# Altium PCB PCB.PcbDoc (part 1 of 3) (continued)
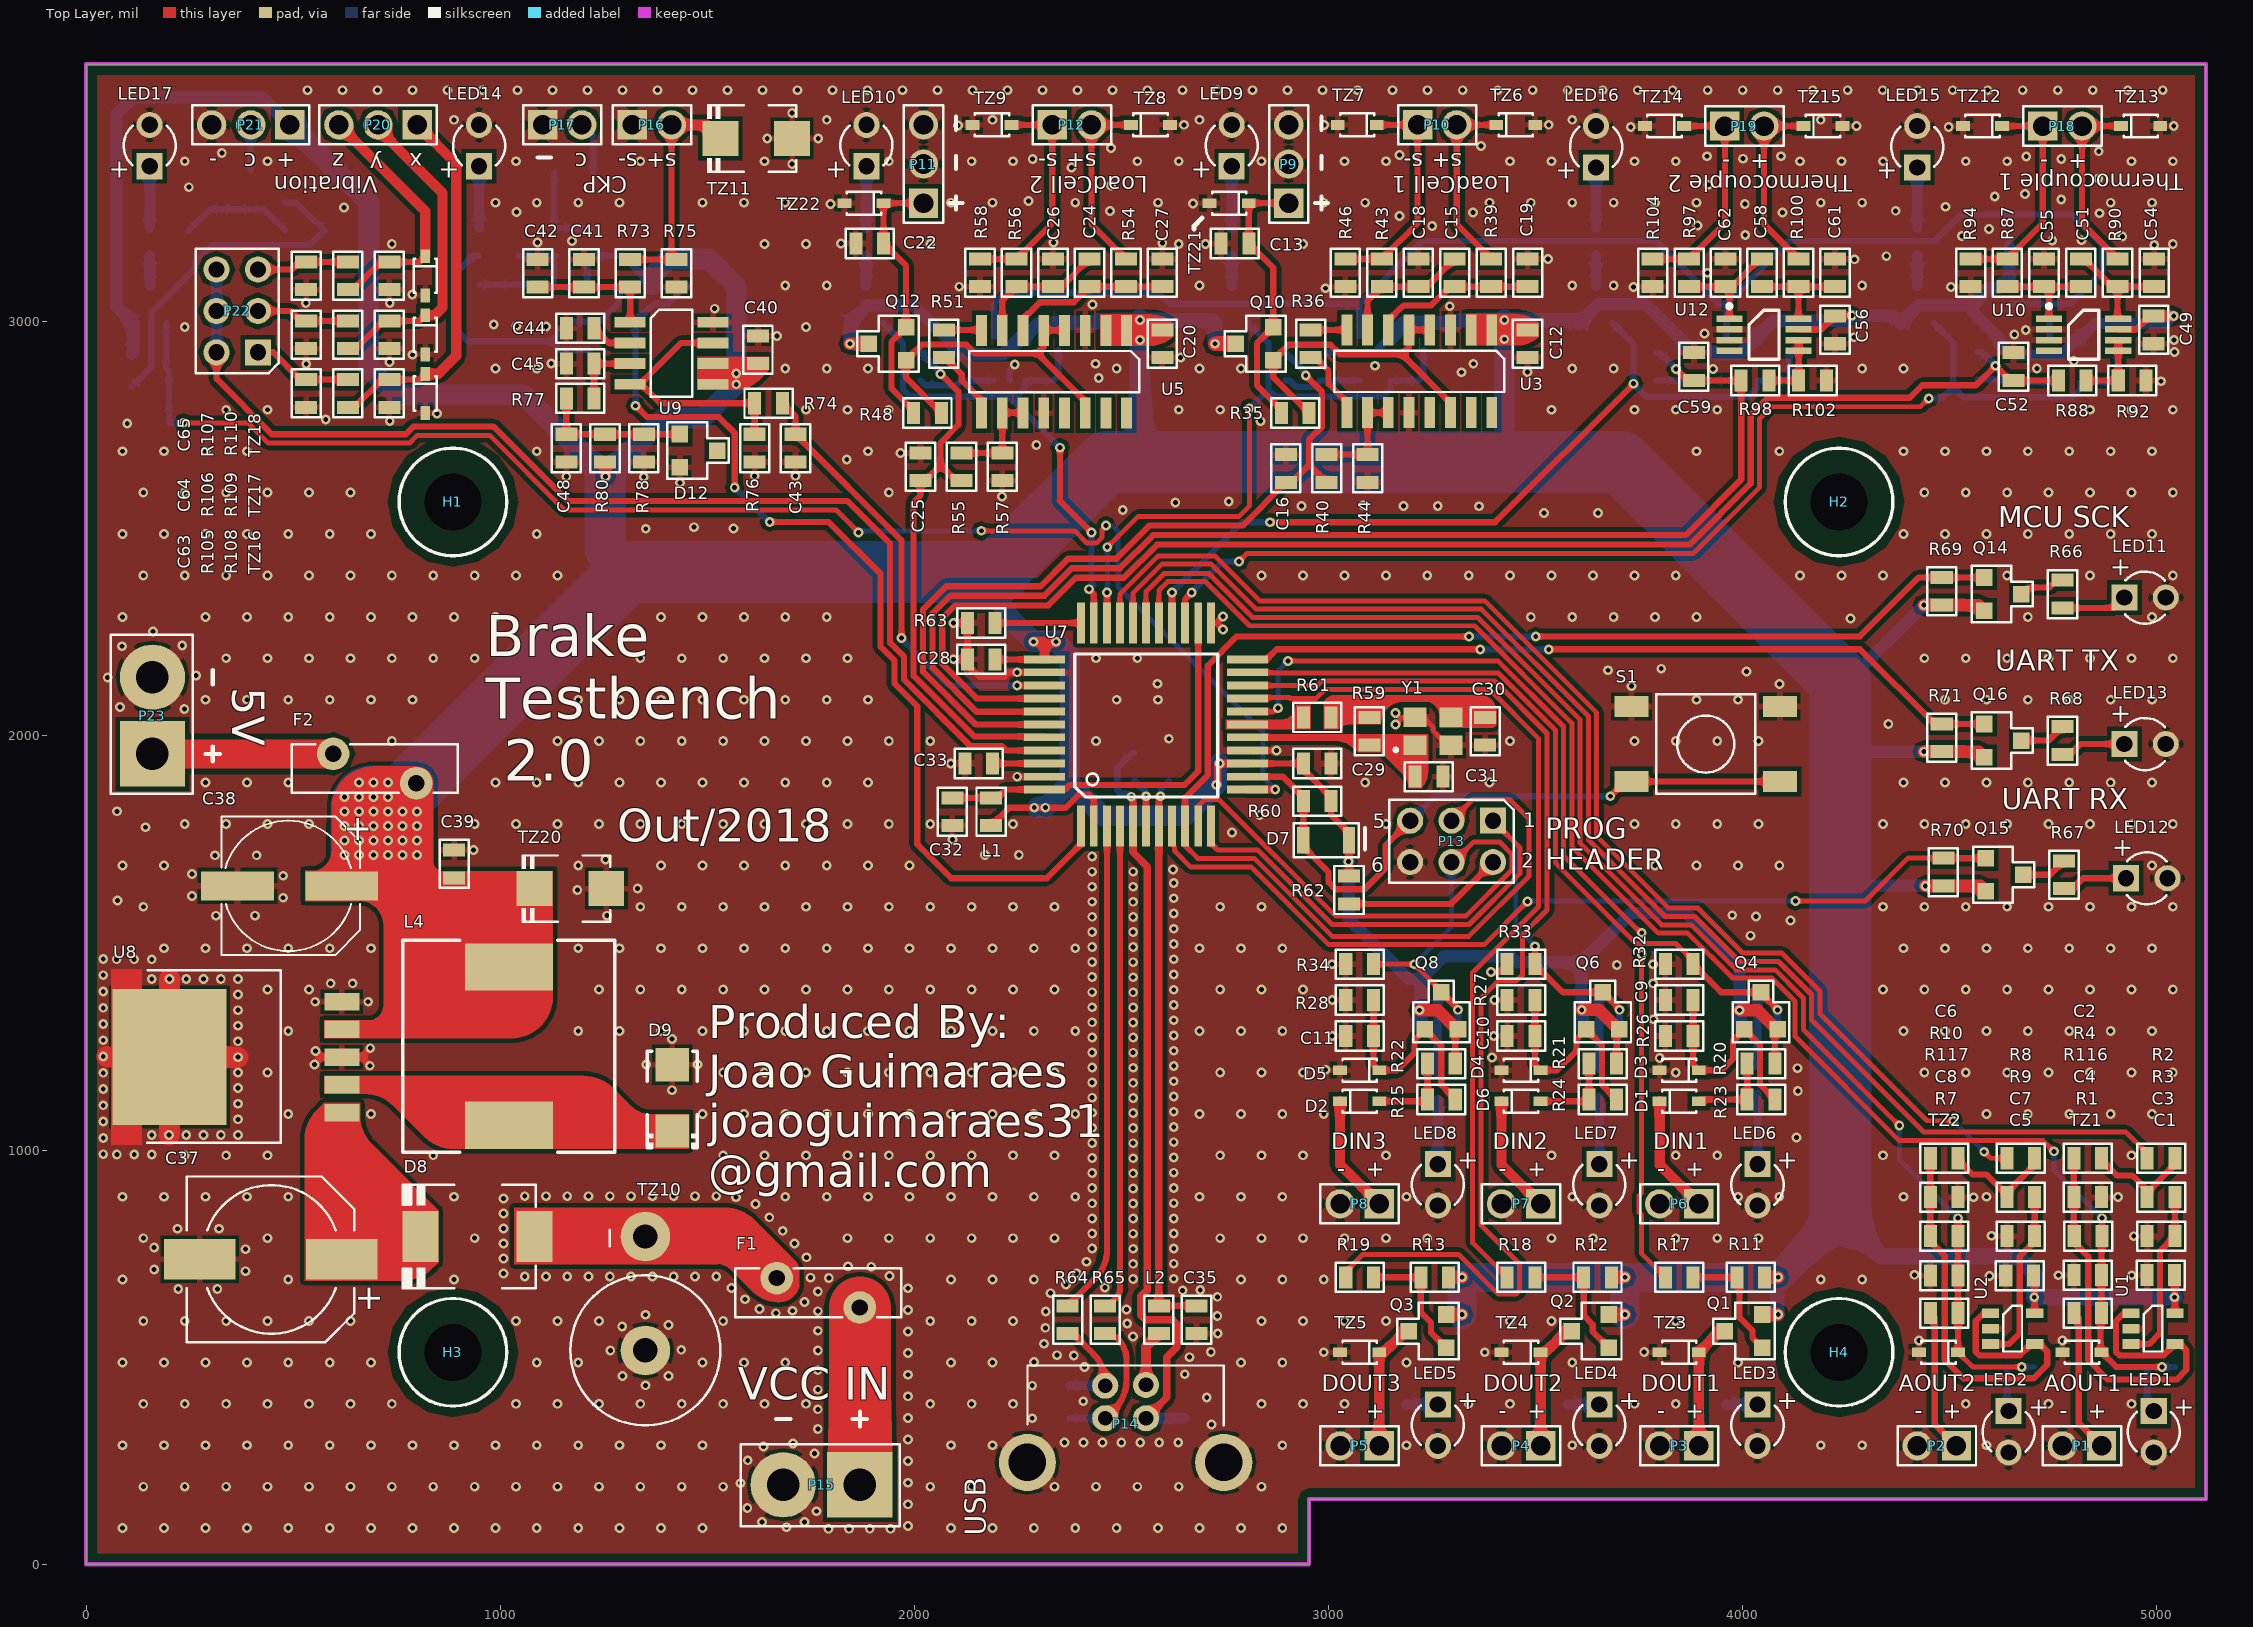
[diagram p0: Top Layer view]
## Components (designator, comment, footprint, x,y, rotation, side; value= is the part's Value field where it differs from the comment)
C1 "100nFx16V" DISC-0805 5008.86,697.83 r90 top
C2 "100nFx16V" DISC-0805 4832.68,980.31 r90 top
C3 "100nFx16V" DISC-0805 5009.84,792.21 r270 top
C4 "100nFx16V" DISC-0805 4832.68,697.83 r270 top
C5 "100nFx16V" DISC-0805 4668.31,696.85 r90 top
C6 "100nFx16V" DISC-0805 4486.22,980.31 r90 top
C7 "100nFx16V" DISC-0805 4671.26,792.21 r270 top
C8 "100nFx16V" DISC-0805 4486.22,696.85 r270 top
C9 "1uFx16V" DISC-0805 3846.46,1362.2 r90 top
C10 "1uFx16V" DISC-0805 3464.57,1275.59 r90 top
C11 "1uFx16V" DISC-0805 3074.8,1275.59 r90 top
C12 "100nFx16V" DISC-0805 3480.32,2946.85 r0 top
C13 "100nFx16V" DISC-0805 2773.82,3188.98 r90 top
C14 "100nFx16V" DISC-0805 3311.02,2964.57 r0 bottom
C15 "100nFx16V" DISC-0805 3304.45,3118.11 r0 top
C16 "1uFx16V" DISC-0805 2896.57,2645.67 r0 top
C17 "100nFx16V" DISC-0805 3074.8,3076.77 r180 bottom
C18 "100pFx16V" DISC-0805 3216.42,3118.11 r0 top
C19 "100pFx16V" DISC-0805 3480.51,3118.11 r0 top
C20 "100nFx16V" DISC-0805 2598.43,2946.85 r0 top
C21 "100nFx16V" DISC-0805 2437.01,2964.57 r0 bottom
C22 "100nFx16V" DISC-0805 1891.93,3188.98 r90 top
C23 "100nFx16V" DISC-0805 2192.91,3076.77 r180 bottom
C24 "100nFx16V" DISC-0805 2422.56,3118.11 r0 top
C25 "1uFx16V" DISC-0805 2014.69,2649.61 r0 top
C26 "100pFx16V" DISC-0805 2334.53,3118.11 r0 top
C27 "100pFx16V" DISC-0805 2598.62,3118.11 r0 top
C28 "100nFx16V" DISC-0805 2161.42,2185.04 r270 top
C29 "100nFx16V" DISC-0805 2972.44,1933.56 r90 top
C30 "22pFx16V" DISC-0805 3377.95,2011.22 r180 top
C31 "22pFx16V" DISC-0805 3242.13,1901.57 r270 top
C32 "1uFx16V" DISC-0805 2091.46,1816.93 r0 top
C33 "100nFx16V" DISC-0805 2155.51,1933.56 r270 top
C34 "1uFx16V" DISC-0805 2531.5,1925.2 r180 bottom
C35 "10uFx16V" DISC-0805 2681.1,590.55 r0 top
C36 "100nFx16V" DISC-0805 2614.17,1925.2 r0 bottom
C37 "100uFx63V" DISC-CAP-ALU-G 617.58,736.22 r270 top
C38 "330uFx25V" DISC-CAP-ALU-F 491.59,1637.8 r90 top
C39 "100nFx16V" DISC-0805 888.78,1690.94 r0 top
C40 "100nFx16V" DISC-0805 1622.05,2932.28 r180 top
C41 "10nFx25V" DISC-0805 1202.03,3117.01 r0 top
C42 "10nFx25V" DISC-0805 1090.35,3117.01 r0 top
C43 "1uFx16V" DISC-0805 1712.8,2694.88 r180 top
C44 "20nFx16V" DISC-0805 1192.91,2984.25 r90 top
C45 "10uFx16V" DISC-0805 1192.91,2898.82 r90 top
C46 "1uFx16V" DISC-0805 1039.37,3192.91 r180 bottom
C47 "100nFx16V" DISC-0805 4677.17,3185.04 r270 bottom
C48 "100nFx16V" DISC-0805 1159.45,2694.88 r0 top
C49 "100nFx16V" DISC-0805 4992.13,2980.32 r0 top
C50 "100nFx16V" DISC-0805 4996.06,2962.6 r0 bottom
C51 "100nFx16V" DISC-0805 4815.98,3118.11 r0 top
C52 "1uFx16V" DISC-0805 4653.54,2891.73 r0 top
C53 "100nFx16V" DISC-0805 4740.16,3076.77 r180 bottom
C54 "10nFx16V" DISC-0805 4993.31,3118.11 r0 top
C55 "10nFx16V" DISC-0805 4727.32,3118.11 r0 top
C56 "100nFx16V" DISC-0805 4222.44,2980.32 r0 top
C57 "100nFx16V" DISC-0805 4216.54,2968.5 r0 bottom
C58 "100nFx16V" DISC-0805 4046.38,3118.11 r180 top
C59 "1uFx16V" DISC-0805 3881.89,2891.73 r0 top
C60 "100nFx16V" DISC-0805 3960.63,3076.77 r180 bottom
C61 "10nFx16V" DISC-0805 4222.44,3118.11 r0 top
C62 "10nFx16V" DISC-0805 3958.35,3118.11 r0 top
C63 "10nFx25V" DISC-0805 531.5,2826.77 r180 top
C64 "10nFx25V" DISC-0805 531.5,2968.5 r180 top
C65 "10nFx25V" DISC-0805 531.5,3110.98 r180 top
C66 "1uFx16V" DISC-0805 574.8,3253.94 r180 bottom
D1 "RB751V40T1G" DISC-SOD-323 3846.46,1118.11 r0 top
D2 "RB751V40T1G" DISC-SOD-323 3074.8,1118.11 r0 top
D3 "RB751V40T1G" DISC-SOD-323 3846.46,1192.91 r180 top
D4 "RB751V40T1G" DISC-SOD-323 3464.57,1192.91 r180 top
D5 "RB751V40T1G" DISC-SOD-323 3074.8,1192.91 r180 top
D6 "RB751V40T1G" DISC-SOD-323 3464.57,1118.11 r0 top
D7 "CD1206-S01575" DISC-1206 2994.09,1748.03 r270 top
D8 "S5GC-13-F" DISC-DO214-AB 944.88,791.34 r90 top
D9 "B345AE-13" DISC-DO214-AC 1415.35,1125.91 r0 top
D10 "LM4040DYM3-4.1-TR" DISC-SOT-23 4826.77,3078.74 r90 bottom
D11 "RB751V40T1G" DISC-SOD-323 1177.17,3358.27 r180 bottom
D12 "LM4041CYM3-1.2" DISC-SOT-23 1433.71,2728.98 r270 top
D13 "RB751V40T1G" DISC-SOD-323 948.82,3042.76 r270 bottom
D14 "RB751V40T1G" DISC-SOD-323 397.64,3318.9 r90 bottom
F1 "AHEF300" DISC-PTC-0.2X0.4 1767.72,655.51 r180 top
F2 "AHEF300" DISC-PTC-0.2X0.4 696.85,1921.26 r180 top
H1 "Hole" MISC-HOLE-3.5MM/6.6MM 885.83,2564.96 r0 top locked
H2 "Hole" MISC-HOLE-3.5MM/6.6MM 4232.28,2564.96 r0 top
H3 "Hole" MISC-HOLE-3.5MM/6.6MM 885.83,511.81 r0 top locked
H4 "Hole" MISC-HOLE-3.5MM/6.6MM 4232.28,511.81 r0 top locked
L1 "MH2029-300Y" DISC-0805 2185.04,1816.93 r180 top
L2 "MH2029-300Y" DISC-0805 2590.06,590.55 r180 top
L3 "MH2029-300Y" DISC-0805 2651.57,385.91 r180 bottom
L4 "SRR1280A-331K" DISC-IND-5050 1020.67,1250.98 r90 top
LED1 "LED" DISC-LED-0.1-PTH 4992.13,370.08 r270 top locked
LED2 "LED" DISC-LED-0.1-PTH 4641.73,370.08 r270 top locked
LED3 "LED" DISC-LED-0.1-PTH 4035.43,385.82 r270 top
LED4 "LED" DISC-LED-0.1-PTH 3653.54,385.82 r270 top
LED5 "LED" DISC-LED-0.1-PTH 3263.78,385.82 r270 top
LED6 "LED" DISC-LED-0.1-PTH 4035.43,966.15 r270 top
LED7 "LED" DISC-LED-0.1-PTH 3653.54,966.15 r270 top
LED8 "LED" DISC-LED-0.1-PTH 3263.78,966.15 r270 top locked
LED9 "LED" DISC-LED-0.1-PTH 2765.95,3375.28 r90 top
LED10 "LED" DISC-LED-0.1-PTH 1884.06,3375.28 r90 top
LED11 "LED" DISC-LED-0.1-PTH 4921.26,2334.02 r0 top
LED12 "LED" DISC-LED-0.1-PTH 4925.2,1656.23 r0 top
LED13 "LED" DISC-LED-0.1-PTH 4921.26,1980.32 r0 top
LED14 "LED" DISC-LED-0.1-PTH 948.82,3375.28 r90 top
LED15 "LED" DISC-LED-0.1-PTH 4421.26,3372.44 r90 top
LED16 "LED" DISC-LED-0.1-PTH 3645.67,3372.44 r90 top
LED17 "LED" DISC-LED-0.1-PTH 153.54,3375.28 r90 top
P1 "Header 2" CON-FLEXWIRE-0.5MM2-1X2 4866.14,285.82 r180 top
P2 "Header 2" CON-FLEXWIRE-0.5MM2-1X2 4515.75,285.82 r180 top
P3 "Header 2" CON-FLEXWIRE-0.5MM2-1X2 3893.7,285.82 r180 top
P4 "Header 2" CON-FLEXWIRE-0.5MM2-1X2 3511.81,285.82 r180 top
P5 "Header 2" CON-FLEXWIRE-0.5MM2-1X2 3122.05,285.82 r180 top
P6 "Header 2" CON-FLEXWIRE-0.5MM2-1X2 3893.7,870.08 r180 top
P7 "Header 2" CON-FLEXWIRE-0.5MM2-1X2 3511.81,870.08 r180 top
P8 "Header 2" CON-FLEXWIRE-0.5MM2-1X2 3122.05,870.08 r180 top
P9 "Header 3" CON-FLEXWIRE-0.5MM2-1X3 2903.74,3286.3 r90 top
P10 "Header 2" CON-FLEXWIRE-0.5MM2-1X2 3214.76,3475.28 r0 top
P11 "Header 3" CON-FLEXWIRE-0.5MM2-1X3 2021.85,3286.3 r90 top
P12 "Header 2" CON-FLEXWIRE-0.5MM2-1X2 2332.87,3475.28 r0 top
P13 "Header 3X2" CON-HEADER-2X3-PTH 3396.85,1795.28 r180 top
P14 "USB-B" CON-USB-B 2559.05,433.07 r0 top
P15 "Header 2" CON-FLEXWIRE-1.5MM2-1X2 1868.11,191.93 r180 top
P16 "Header 2" CON-FLEXWIRE-0.5MM2-1X2 1318.9,3475.28 r0 top
P17 "Header 2" CON-FLEXWIRE-0.5MM2-1X2 1102.36,3475.28 r0 top
P18 "Header 2" CON-FLEXWIRE-0.5MM2-1X2 4724.41,3472.44 r0 top
P19 "Header 2" CON-FLEXWIRE-0.5MM2-1X2 3956.69,3472.44 r0 top
P20 "Header 3" CON-FLEXWIRE-0.5MM2-1X3 799.21,3475.28 r180 top
P21 "Header 3" CON-FLEXWIRE-0.5MM2-1X3 492.13,3475.28 r180 top
P22 "Header 3X2" CON-HEADER-2X3-PTH 414.96,2926.06 r90 top
P23 "Header 2" CON-FLEXWIRE-1.5MM2-1X2 160.16,1956.69 r90 top
Q1 "RU1C002ZPTCL" DISC-SOT-23 4046.69,522.99 r90 top
Q2 "RU1C002ZPTCL" DISC-SOT-23 3676.61,522.99 r90 top
Q3 "RU1C002ZPTCL" DISC-SOT-23 3283.46,522.99 r90 top
Q4 "RU1C002ZPTCL" DISC-SOT-23 4003.93,1291.34 r0 top
Q5 "RU1C002ZPTCL" DISC-SOT-23 4075.43,1291.34 r180 bottom
Q6 "RU1C002ZPTCL" DISC-SOT-23 3622.04,1291.34 r0 top
Q7 "RU1C002ZPTCL" DISC-SOT-23 3693.54,1291.34 r180 bottom
Q8 "RU1C002ZPTCL" DISC-SOT-23 3232.28,1291.34 r0 top
Q9 "RU1C002ZPTCL" DISC-SOT-23 3303.78,1291.34 r180 bottom
Q10 "MMBT3904,215" DISC-SOT-23 2866.14,2906.85 r90 top
Q11 "RU1C002ZPTCL" DISC-SOT-23 2805.94,2996.61 r180 bottom
Q12 "MMBT3904,215" DISC-SOT-23 1979.76,2906.85 r90 top
Q13 "RU1C002ZPTCL" DISC-SOT-23 1924.06,2996.61 r180 bottom
Q14 "RU1C002ZPTCL" DISC-SOT-23 4582.68,2382.52 r270 top
Q15 "RU1C002ZPTCL" DISC-SOT-23 4586.61,1704.72 r270 top
Q16 "RU1C002ZPTCL" DISC-SOT-23 4582.68,2028.82 r270 top
Q17 "RU1C002ZPTCL" DISC-SOT-23 1129.92,3090 r0 bottom
Q18 "RU1C002ZPTCL" DISC-SOT-23 1286.77,3090 r0 bottom
Q19 "RU1C002ZPTCL" DISC-SOT-23 4461.26,2996.61 r180 bottom
Q20 "RU1C002ZPTCL" DISC-SOT-23 3685.67,2996.61 r180 bottom
Q21 "RU1C002ZPTCL" DISC-SOT-23 110.04,2842.52 r90 bottom
Q22 "RU1C002ZPTCL" DISC-SOT-23 193.54,2996.61 r180 bottom
R1 "1k" DISC-0805 4832.68,606.3 r90 top
R2 "10k" DISC-0805 5009.84,980.31 r270 top
R3 "10k" DISC-0805 5009.84,886.26 r270 top
R4 "10k" DISC-0805 4832.68,886.26 r90 top
R5 "1k" DISC-0805 5009.84,476.38 r270 bottom
R6 "1k" DISC-0805 4671.26,476.38 r270 bottom
R7 "1k" DISC-0805 4486.22,606.3 r90 top
R8 "10k" DISC-0805 4671.26,980.31 r270 top
R9 "10k" DISC-0805 4671.26,886.26 r270 top
R10 "10k" DISC-0805 4486.22,886.26 r90 top
R11 "10k" DISC-0805 4019.24,692.91 r270 top
R12 "10k" DISC-0805 3649.16,692.91 r270 top
R13 "10k" DISC-0805 3256.01,692.91 r270 top
R14 "1k" DISC-0805 3927.17,385.83 r90 bottom
R15 "1k" DISC-0805 3543.31,385.83 r90 bottom
R16 "1k" DISC-0805 3155.51,385.83 r90 bottom
R17 "1k" DISC-0805 3846.46,692.91 r270 top
R18 "1k" DISC-0805 3464.57,692.91 r270 top
R19 "1k" DISC-0805 3074.8,692.91 r270 top
R20 "10k" DISC-0805 4043.93,1208.66 r270 top
R21 "10k" DISC-0805 3662.04,1208.66 r270 top
R22 "10k" DISC-0805 3272.28,1208.66 r270 top
R23 "100k" DISC-0805 4043.93,1122.05 r270 top
R24 "100k" DISC-0805 3662.04,1122.05 r90 top
R25 "100k" DISC-0805 3272.28,1122.05 r90 top
R26 "100k" DISC-0805 3846.46,1275.59 r90 top
R27 "100k" DISC-0805 3464.57,1362.2 r90 top
R28 "100k" DISC-0805 3074.8,1362.2 r90 top
R29 "1k" DISC-0805 4035.43,1169.29 r0 bottom
R30 "1k" DISC-0805 3653.54,1161.42 r0 bottom
R31 "1k" DISC-0805 3263.78,1153.54 r0 bottom
R32 "10k" DISC-0805 3846.46,1448.82 r90 top
R33 "10k" DISC-0805 3464.57,1448.82 r90 top
R34 "10k" DISC-0805 3074.8,1448.82 r90 top
R35 "0R" DISC-0805 2919.29,2779.53 r90 top
R36 "60R4" DISC-0805 2956.69,2946.85 r180 top
R37 "10k" DISC-0805 3228.35,2964.57 r180 bottom
R38 "10k" DISC-0805 2995.33,2891.73 r180 bottom
R39 "0R" DISC-0805 3392.48,3118.11 r180 top
R40 "10k" DISC-0805 2995.33,2645.67 r0 top
R41 "0R" DISC-0805 2896.57,2891.73 r180 bottom
R42 "10k" DISC-0805 3250.98,2858.27 r270 bottom
R43 "0R" DISC-0805 3128.39,3118.11 r180 top
R44 "10k" DISC-0805 3094.09,2645.67 r0 top
R45 "1k" DISC-0805 2765.94,3192.91 r180 bottom
R46 "1M" DISC-0805 3040.35,3118.11 r180 top
R47 "10k" DISC-0805 2347.44,2964.57 r180 bottom
R48 "0R" DISC-0805 2031.5,2779.53 r90 top
R49 "10k" DISC-0805 2113.45,2891.73 r180 bottom
R50 "0R" DISC-0805 2014.69,2891.73 r180 bottom
R51 "60R4" DISC-0805 2070.87,2946.85 r180 top
R52 "10k" DISC-0805 2370.08,2858.27 r270 bottom
R53 "1k" DISC-0805 1884.06,3192.91 r180 bottom
R54 "0R" DISC-0805 2510.59,3118.11 r180 top
R55 "10k" DISC-0805 2113.45,2649.61 r0 top
R56 "0R" DISC-0805 2246.5,3118.11 r180 top
R57 "10k" DISC-0805 2212.2,2649.61 r0 top
R58 "1M" DISC-0805 2158.46,3118.11 r180 top
R59 "1M" DISC-0805 3098.43,2011.22 r0 top
R60 "10k" DISC-0805 2972.44,1842.52 r270 top
R61 "0R" DISC-0805 2972.44,2044.69 r270 top
R62 "0R" DISC-0805 3049.21,1627.95 r180 top
R63 "10k" DISC-0805 2161.42,2272.56 r90 top
R64 "22R" DISC-0805 2370.08,590.55 r180 top
R65 "22R" DISC-0805 2460.63,590.55 r180 top
R66 "1k" DISC-0805 4771.65,2342.52 r0 top
R67 "1k" DISC-0805 4775.59,1664.72 r0 top
R68 "1k" DISC-0805 4771.65,1988.82 r0 top
R69 "10k" DISC-0805 4480.32,2349.06 r180 top
R70 "10k" DISC-0805 4484.25,1671.26 r180 top
R71 "10k" DISC-0805 4480.32,1995.35 r180 top
R72 "470R" DISC-0805 4645.67,3076.77 r0 bottom
R73 "10k" DISC-0805 1313.71,3117.01 r180 top
R74 "10k" DISC-0805 1647.64,2803.15 r90 top
R75 "10k" DISC-0805 1425.39,3117.01 r0 top
R76 "10k" DISC-0805 1614.17,2694.88 r0 top
R77 "375k" DISC-0805 1192.91,2814.96 r270 top
R78 "200R" DISC-0805 1346.46,2694.88 r0 top
R79 "10k" DISC-0805 1220.47,3192.91 r0 bottom
R80 "620R" DISC-0805 1252.95,2694.88 r180 top
R81 "100k" DISC-0805 1129.92,3192.91 r0 bottom
R82 "100k" DISC-0805 1039.37,3056.54 r0 bottom
R83 "1k" DISC-0805 948.82,3192.91 r180 bottom
R84 "10k" DISC-0805 1452.76,3056.54 r180 bottom
R85 "10k" DISC-0805 4905.51,2962.6 r180 bottom
R86 "10k" DISC-0805 4653.54,2891.73 r180 bottom
R87 "100R" DISC-0805 4638.66,3118.11 r180 top
R88 "10k" DISC-0805 4795.28,2858.27 r270 top
R89 "0R" DISC-0805 4566.93,2893.7 r180 bottom
R90 "100R" DISC-0805 4904.65,3118.11 r180 top
R91 "10k" DISC-0805 4928.15,2854.2 r270 bottom
R92 "10k" DISC-0805 4939.96,2858.27 r90 top
R93 "1k" DISC-0805 4421.26,3192.91 r180 bottom
R94 "1M" DISC-0805 4550,3118.11 r180 top
R95 "10k" DISC-0805 4123.03,2968.5 r180 bottom
R96 "10k" DISC-0805 3881.89,2891.73 r180 bottom
R97 "100R" DISC-0805 3870.31,3118.11 r180 top
R98 "10k" DISC-0805 4029.53,2858.27 r270 top
R99 "0R" DISC-0805 3791.34,2891.73 r180 bottom
R100 "100R" DISC-0805 4134.41,3118.11 r180 top
R101 "10k" DISC-0805 4145.67,2858.27 r270 bottom
R102 "10k" DISC-0805 4168.31,2858.27 r90 top
R103 "1k" DISC-0805 3645.67,3192.91 r180 bottom
R104 "1M" DISC-0805 3782.28,3118.11 r180 top
R105 "10k" DISC-0805 631.89,2826.77 r0 top
R106 "10k" DISC-0805 631.89,2968.5 r0 top
R107 "10k" DISC-0805 631.89,3110.98 r0 top
R108 "10k" DISC-0805 732.28,2826.77 r0 top
R109 "10k" DISC-0805 732.28,2968.5 r0 top
R110 "10k" DISC-0805 732.28,3110.98 r0 top
R111 "10k" DISC-0805 480.32,3253.94 r0 bottom
R112 "10k" DISC-0805 248.03,3253.94 r0 bottom
R113 "1k" DISC-0805 153.54,3192.91 r180 bottom
R114 "10k" DISC-0805 166.58,2755.91 r270 bottom
R115 "10k" DISC-0805 1213.58,2898.62 r0 bottom
R116 "0R" DISC-0805 4833.66,792.21 r270 top
R117 "0R" DISC-0805 4486.22,792.21 r270 top
S1 "SPST-NO" DISC-PUSHBUTTON-4P-SMD 3910.43,1980.32 r180 top
TZ1 "ESDA8V2-1J" DISC-SOD-323 4818.9,511.81 r180 top
TZ2 "ESDA8V2-1J" DISC-SOD-323 4472.44,511.81 r180 top
TZ3 "ESDA8V2-1J" DISC-SOD-323 3846.46,511.81 r180 top
TZ4 "ESDA8V2-1J" DISC-SOD-323 3464.57,511.81 r180 top
TZ5 "ESDA8V2-1J" DISC-SOD-323 3074.8,511.81 r180 top
TZ6 "DESD5V0S1BA" DISC-SOD-323 3451.77,3475.28 r0 top
TZ7 "DESD5V0S1BA" DISC-SOD-323 3069.09,3475.28 r180 top
TZ8 "DESD5V0S1BA" DISC-SOD-323 2569.88,3475.28 r0 top
TZ9 "DESD5V0S1BA" DISC-SOD-323 2187.21,3475.28 r180 top
TZ10 "SLD28-018" DISC-DIODE-0.9-V 1350.39,516.34 r90 top
TZ11 "SMBJ15CA" DISC-DO214-AA 1618.11,3442.52 r270 top
TZ12 "DESD5V0S1BA" DISC-SOD-323 4578.74,3472.44 r180 top
TZ13 "DESD5V0S1BA" DISC-SOD-323 4960.63,3472.44 r0 top
TZ14 "DESD5V0S1BA" DISC-SOD-323 3811.02,3472.44 r180 top
TZ15 "DESD5V0S1BA" DISC-SOD-323 4193.7,3472.44 r0 top
TZ16 "ESDA8V2-1J" DISC-SOD-323 818.9,2826.77 r270 top
TZ17 "ESDA8V2-1J" DISC-SOD-323 818.9,2968.5 r270 top
TZ18 "ESDA8V2-1J" DISC-SOD-323 818.9,3110.98 r270 top
TZ19 "ESDA8V2-1J" DISC-SOD-323 326.77,3318.9 r90 bottom
TZ20 "SMBJ5.0A" DISC-DO214-AA 1169.29,1631.26 r270 top
TZ21 "ESDA8V2-1J" DISC-SOD-323 2760.04,3286.3 r180 top
TZ22 "ESDA8V2-1J" DISC-SOD-323 1878.15,3286.3 r180 top
U1 "MCP6001T-I/OT" CI-SOT-23-5 4937.01,606.3 r0 top
U2 "MCP6001T-I/OT" CI-SOT-23-5 4598.43,606.3 r0 top
U3 "INA125" CI-SOIC-16 3394.09,2980.32 r270 top
U4 "MCP6001T-I/OT" CI-SOT-23-5 3149.61,2858.27 r90 bottom
U5 "INA125" CI-SOIC-16 2512.2,2979.33 r270 top
U6 "MCP6001T-I/OT" CI-SOT-23-5 2267.72,2858.27 r90 bottom
U7 "ATMEGA32U4" CI-QFP-44 2559.06,2027.56 r90 top
U8 "TL2575-05" CI-TO-263 409.45,1224.41 r90 top
U9 "LM2907MX-8" CI-SOIC-8 1313.71,2998.82 r0 top
U10 "AD8495" CI-MSOP-8 4822.83,2968.5 r0 top
U11 "MCP6001T-I/OT" CI-SOT-23-5 4814.96,2854.2 r90 bottom
U12 "AD8495" CI-MSOP-8 4051.18,2968.5 r0 top
U13 "MCP6001T-I/OT" CI-SOT-23-5 4035.43,2858.27 r90 bottom
Y1 "XTAL2" DISC-CRYSTAL-4P-3.2X2.5 3251.97,2011.22 r0 top
Z1 "CG0603MLC-05E" DISC-0603 2346.46,431.18 r270 bottom
Z2 "CG0603MLC-05E" DISC-0603 2346.46,352.44 r270 bottom

## Footprints (in the part's own frame and the unit in brackets; to place one, negate y for a bottom-side part, rotate by r counter-clockwise, add the part's x,y. Pads: shape width x height; smd on the part's side, far side on the other; paste and mask are expansions set on the pad)
CI-MSOP-8 [mm] "MSOP, 8-Leads, Body 3,0x3,0mm (max), Pitch 0,65mm, IPC Medium Density"
  rect 1.6x0.4 smd mask+0.13: 1(-2.125,0.975) 2(-2.125,0.325) 3(-2.125,-0.325) 4(-2.125,-0.975) 5(2.125,-0.975) 6(2.125,-0.325) 7(2.125,0.325) 8(2.125,0.975)
  silkscreen extent -2.25,-1.5 0.92,1.87, body extent -2.52,-1.5 2.48,1.5, height 1.09
CI-QFP-44 [mil] "10x10 , 0.8 Pitch, 44 Lead QFP"
  rect 100x18.9 smd: 1(-245,157) 2(-245,126) 3(-245,94) 4(-245,63) 5(-245,31) 6(-245,0) 7(-245,-31) 8(-245,-63) 9(-245,-94) 10(-245,-126) 11(-245,-157) 23(245,-157) 24(245,-126) 25(245,-94) 26(245,-63) 27(245,-31) 28(245,0) 29(245,31) 30(245,63) 31(245,94) 32(245,126) 33(245,157)
  rect 18.9x100 smd: 12(-157,-245) 13(-126,-245) 14(-94,-245) 15(-63,-245) 16(-31,-245) 17(0,-245) 18(31,-245) 19(63,-245) 20(94,-245) 21(126,-245) 22(157,-245) 34(157,245) 35(126,245) 36(94,245) 37(63,245) 38(31,245) 39(0,245) 40(-31,245) 41(-63,245) 42(-94,245) 43(-126,245) 44(-157,245)
  silkscreen extent -175,-173 170,172, body extent -252,-252 252,252, height 114
CI-SOIC-8 [mil] "SOIC8, Pitch 1.27"
  rect 75x26 smd: 1(0,0) 2(0,-50) 3(0,-100) 4(0,-150) 5(200,-150) 6(200,-100) 7(200,-50) 8(200,0)
  silkscreen extent 50,-180 150,30, body extent -16,-171 220,21, height 69
CI-SOIC-16 [mil] "16 Lead, Pitch 1.27"
  rect 75x26 smd paste-1.97: 1(0,0) 2(0,-50) 3(0,-100) 4(0,-150) 5(0,-200) 6(0,-250) 7(0,-300) 8(0,-350) 9(200,-350) 10(200,-300) 11(200,-250) 12(200,-200) 13(200,-150) 14(200,-100) 15(200,-50) 16(200,0)
  silkscreen extent 50,-380 150,30, body extent -17,-370 219,19, height 55
CI-SOT-23-5 [mm] "SOT23-5"
  rect 1.05x0.6 smd paste-0.025 mask+0.07: 1(0,0) 2(0,-0.95) 3(0,-1.9) 4(2.7,-1.9) 5(2.7,0)
  silkscreen extent 0.78,-2.35 1.92,0.45, body extent -0.13,-2.45 2.87,0.55, height 1.3
CI-TO-263 [mm] "TO263"
  rect 1.07x2.16 smd mask+0.102: 1(-3.4,-5.286) 2(-1.7,-5.286) 3(0,-5.286) 4(1.7,-5.286) 5(3.4,-5.286)
  rect 8.33x6.99 smd mask+0.102: 6(0,5.286)
  Top Layer region: -5.4,8.883 -5.4,6.973 5.4,6.973 5.4,8.883
  silkscreen extent -5.26,-1.52 5.33,6.65, body extent -5.05,-5.43 5.11,8.58, height 4.56
CON-FLEXWIRE-0.5MM2-1X2 [mm] "Consultados os documentos Normas IPC-2221 e IPC-2222 (Level A), \"UFPR-Fios e Cabos Elйtricos - Fabricaзгo, Escalas e Normas-200712.pdf\" e \"Prysmian-Automotive cables with reduced outside diameter-201005\" para definiзгo dos pads."
  rect 1.8x1.8 hole 1.2: 1(0,0)
  round 1.8 hole 1.2: 2(2.4,0)
  silkscreen extent -1.2,-1.2 3.6,1.2
CON-FLEXWIRE-0.5MM2-1X3 [mm] "Consultados os documentos Normas IPC-2221 e IPC-2222 (Level A), \"UFPR-Fios e Cabos Elйtricos - Fabricaзгo, Escalas e Normas-200712.pdf\" e \"Prysmian-Automotive cables with reduced outside diameter-201005\" para definiзгo dos pads."
  rect 1.8x1.8 hole 1.2: 1(0,0)
  round 1.8 hole 1.2: 2(2.4,0) 3(4.8,0)
  silkscreen extent -1.2,-1.2 6,1.2
CON-FLEXWIRE-1.5MM2-1X2 [mm] "Consultados os documentos Normas IPC-2221 e IPC-2222 (Level A), \"UFPR-Fios e Cabos Elйtricos - Fabricaзгo, Escalas e Normas-200712.pdf\" e \"Prysmian-Automotive cables with reduced outside diameter-201005\" para definiзгo dos pads."
  rect 4x4 hole 2: 1(0,0)
  round 4 hole 2: 2(4.7,0)
  silkscreen extent -2.45,-2.47 7.3,2.55
CON-HEADER-2X3-PTH [mil]
  rect 63x63 hole 39.37: 1(0,0)
  round 63 hole 39.37: 2(0,100) 3(100,0) 4(100,100) 5(200,0) 6(200,100)
  silkscreen extent -50,-50 250,150
CON-USB-B [mm]
  round 1.6 hole 0.9: 1(0,0) 2(-2.5,-0.048) 3(-2.5,-2.048) 4(0,-2.048)
  round 3.5 hole 2.3: 5(-7.27,-4.758) 6(4.77,-4.758)
  silkscreen extent -7.27,-2.47 4.77,1.19, body extent -8.65,-15.07 6.15,1.43, height 11.01
DISC-0603 [mm] "EIA 0603, METRIC 1608 - LEAST"
  rect 0.9x0.75 smd: 1(0,0.7) 2(0,-0.7)
  silkscreen extent -0.66,-1.29 0.66,1.29, body extent -0.4,-0.8 0.4,0.8, height 0.3
DISC-0805 [mm] "EIA 0805, METRIC 2012 - LEAST"
  rect 1.35x0.8 smd: 1(0,0.85) 2(0,-0.85)
  silkscreen extent -0.89,-1.47 0.89,1.47, body extent -0.62,-1 0.63,1, height 0.95
DISC-1206 [mm] "EIA 1206, METRIC 3216 - LEAST"
  rect 1.65x0.75 smd: 1(0,-1.4) 2(0,1.4)
  silkscreen extent -1.04,-1.99 1.04,2.37, body extent -0.8,-1.59 0.8,1.61, height 1
DISC-CAP-ALU-F [mm] "Capacitor Aluminium SMD 8mm"
  rect 1.8x4.45 smd: 1(0,-3.2) 2(0,3.2)
  silkscreen extent -4.24,-4.31 4.26,4.19, body extent -4.15,-4.95 4.15,4.95, height 10.2
DISC-CAP-ALU-G [mil] "Capacitor Aluminium SMD 10mm"
  rect 98x173 smd: 1(0,0) 2(0,-343)
  silkscreen extent -200,-375 200,30, body extent -198,-397 208,60, height 402
DISC-CRYSTAL-4P-3.2X2.5 [mm]
  rect 1.4x1.2 smd: 1(-1.1,-0.85) 2(1.1,-0.85) 3(1.1,0.85) 4(-1.1,0.85)
  silkscreen extent -2.39,-1.25 -2.18,-1.04, body extent -1.6,-1.25 1.6,1.25, height 1.01
DISC-DIODE-0.9-V [mil]
  round 120 hole 59.06: 1(0,0) 2(275,0)
  silkscreen extent -181,-181 291,181, body extent -180,-179 300,184, height 505
DISC-DO214-AA [mm] "JEDEC DO214-AA;SMB - LEAST"
  rect 2.15x2.2 smd: 1(0,2.2) 2(0,-2.2)
  silkscreen extent -2.05,-3.01 2.05,2.44, body extent -1.95,-2.75 1.95,2.75, height 2.45
DISC-DO214-AB [mm] "JEDEC DO214-AB;SMC - LEAST"
  rect 3.15x2.2 smd: 1(0,-3.5) 2(0,3.5)
  silkscreen extent -3.18,-3.58 3.18,4.58, body extent -3.05,-4.06 3.05,4.06, height 2.4
DISC-DO214-AC [mil]
  rect 80x80 smd: 1(-0.11,80) 2(-0.11,-80)
  silkscreen extent -60,-120 60,113, body extent -55,-108 55,108, height 90
DISC-IND-5050 [mm] "Inductor 12.5x12.5mm, Bourns SRR1260 Series"
  rect 2.9x5.4 smd: 1(-4.85,0) 2(4.85,0)
  silkscreen extent -6.5,-6.5 6.5,6.5, body extent -6.28,-6.22 6.22,6.28, height 6.29
DISC-LED-0.1-PTH [mil]
  rect 63x63 hole 39.37: 1(0,0)
  round 63 hole 39.37: 2(100,0)
  silkscreen extent 2,-63 98,63, body extent -13,-63 115,63, height 642
DISC-PTC-0.2X0.4 [mm] "PolySwitch® PTC Devices Overcurrent Protection Device Width = 10.2mm; Heigh = 15.7mm; Pitch = 5.0mm"
  round 2 hole 1: 1(-2.55,0.9) 2(2.55,-0.9)
  silkscreen extent -5.1,-1.5 5.1,1.5, body extent -5.1,-1.52 5.1,1.48, height 15.79
DISC-PUSHBUTTON-4P-SMD [mm] "PUSHBUTTON SMD"
  rect 2.1x1.3 smd: 1(4.55,-2.3) 2(-4.55,-2.3) 3(4.55,2.3) 4(-4.55,2.3)
  silkscreen extent -3.05,-3.05 3.05,3.05, body extent -4.97,-2.99 5.03,3.01, height 4.54
DISC-SOD-323 [mm] "SOD323"
  rect 0.85x0.6 smd mask+0.076: 1(1.2,0) 2(-1.2,0)
  silkscreen extent -1.05,-0.7 1.05,0.7, body extent -1.31,-0.67 1.29,0.68, height 1.1
DISC-SOT-23 [mil] "SOT23"
  rect 40x40 smd: 1(0,0) 2(40,90) 3(80,0)
  silkscreen extent -28,-31 108,118, body extent -19,-11 96,90, height 39
MISC-HOLE-3.5MM/6.6MM [mm]
  round 0 hole 3.5 unplated: 1(0,0)
  silkscreen extent -3.3,-3.3 3.3,3.3

## Part data
C1 C2 C3 C4 C5 C6 C7 C8 C9 C10 C11 C12 C13 C14 C15 C16 C17 C18 C19 C20 C21 C22 C23 C24 C25 C26 C27 C28 C29 C30 C31 C32 C33 C34 C35 C36 C39 C40 C41 C42 C43 C44 C45 C46 C47 C48 C49 C50 C51 C52 C53 C54 C55 C56 C57 C58 C59 C60 C61 C62 C63 C64 C65 C66: library part Cap, "Capacitor"
C37 C38: library part "Cap Pol", "Polarized Capacitor (Surface Mount)"
D1 D2 D3 D4 D5 D6 D9 D11 D13 D14: library part "D Schottky", "Schottky Diode", Code_JEDEC=DO-214-AA, LatestRevisionDate=17-Jul-2002, LatestRevisionNote="Re-released for DXP Platform.", PackageDescription="DO-214-AA/SMB; 2 C-Bend Leads; Body 5.3 x 3.6 mm, inc. leads (LxW)", PackageReference=SMB, Published=8-Jun-2000, Publisher="Altium Limited"
D7 D8: library part Diode, "Default Diode", Code_JEDEC=DO-214-AB, LatestRevisionDate=17-Jul-2002, LatestRevisionNote="Re-released for DXP Platform.", PackageDescription="DO-214-AB/SMC; 2 C-Bend Leads; Body 7.9 x 5.9 mm, inc. leads (LxW)", PackageReference=SMC, PackageVersion=Sep-1996, Published=8-Jun-2000, Publisher="Altium Limited"
D10 D12: library part LM4040, "Shunt Voltage References"
F1 F2: library part "Fuse 1", "Fuse", LatestRevisionDate=17-Jul-2002, LatestRevisionNote="Re-released for DXP Platform.", PackageDescription="Thru-Hole; 2 Leads", PackageReference=PIN-W2/E2.8, Published=8-Jun-2000, Publisher="Altium Limited"
L1 L2 L3 L4: library part Inductor, "Chip Inductor"
P1 P2 P3 P4 P5 P6 P7 P8 P10 P12 P15 P16 P17 P18 P19 P23: "Header, 2-Pin", LatestRevisionDate=17-Jul-2002, LatestRevisionNote="Re-released for DXP Platform.", Publisher="Altium Limited"
P9 P11 P20 P21: "Header, 3-Pin", LatestRevisionDate=17-Jul-2002, LatestRevisionNote="Re-released for DXP Platform.", Publisher="Altium Limited"
P13 P22: "Header, 3-Pin, Dual row", LatestRevisionDate=17-Jul-2002, LatestRevisionNote="Re-released for DXP Platform.", Publisher="Altium Limited"
P14: library part "USB Type-B", "USB Type-B"
Q1 Q2 Q3 Q4 Q5 Q6 Q7 Q8 Q9 Q11 Q13 Q14 Q15 Q16 Q17 Q18 Q19 Q20 Q21 Q22: library part Transistor-PMOS, "P-Channel MOSFET"
Q10 Q12: library part Transistor-NPN, "NPN Bipolar Transistor", Code_JEDEC=TO-226-AA, LatestRevisionDate=17-Jul-2002, LatestRevisionNote="Re-released for DXP Platform.", PackageDescription="TO, Flat Index; 3 In-Line, Axial Leads; Body Dia. 4.8mm; Leads 0.55 x 0.51 mm (max)", PackageReference=TO-226-AA, Published=8-Jun-2000, Publisher="Altium Limited"
R1 R2 R3 R4 R5 R6 R7 R8 R9 R10 R11 R12 R13 R14 R15 R16 R17 R18 R19 R20 R21 R22 R23 R24 R25 R26 R27 R28 R29 R30 R31 R32 R33 R34 R35 R36 R37 R38 R39 R40 R41 R42 R43 R44 R45 R46 R47 R48 R49 R50 R51 R52 R53 R54 R55 R56 R57 R58 R59 R60 R61 R62 R63 R64 R65 R66 R67 R68 R69 R70 R71 R72 R73 R74 R75 R76 R77 R78 R79 R80 R81 R82 R83 R84 R85 R86 R87 R88 R89 R90 R91 R92 R93 R94 R95 R96 R97 R98 R99 R100 R101 R102 R103 R104 R105 R106 R107 R108 R109 R110 R111 R112 R113 R114: library part Res, "Resistor"
R115 R116 R117: library part RESISTOR, "Resistor", PriceType=FOB
TZ1 TZ2 TZ3 TZ4 TZ5 TZ16 TZ17 TZ18 TZ19 TZ21 TZ22: library part TVZ-Unidirectional, "TVZ-Unidirectional"
TZ6 TZ7 TZ8 TZ9 TZ10 TZ11 TZ12 TZ13 TZ14 TZ15 TZ20: library part TVZ-Bi-Directional, "TVZ-Bi-Directional"
U1 U2 U4 U6 U11 U13: "Operational Amplifiers - Op Amps Single 1.8V 1MHz"
U3 U5: library part INA125P, "INSTRUMENTATION AMPLIFIER With Precision Voltage Reference"
U7: library part ATMEGA32U4-AU, "8-bit Microcontroller with 16/32K bytes of ISP Flash and  USB Controller"
U8: library part TL2575-05IKTTR, "Switching Voltage Regulators 1-A Step-Down Voltage"
U9: "Voltage to Frequency & Frequency to Voltage Frequency to Voltage Converter"
U10 U12: "Precision Type K Thermocouple Amplifier with Cold Junction Compensation"
Y1: library part XTAL-4-PIN, "XTAL-4-PIN"
Z1 Z2: library part Varistor, "Varistor"

## Via types
v1: diameter 23.62, hole 11.81, Top Layer to Bottom Layer, tented both sides, 1308 vias
v2: diameter 23.62, hole 11.81, Top Layer to Bottom Layer, 2 vias

## Nets (pads, with @x,y where several pads share a name; then routed paths per layer and width w, separated by ;. In a path a pad name is that pad's centre, name@x,y a point inside that pad or via, vN(x,y) a via of type N, cw(c..) or ccw(c..) an arc to the next point about the centre after c; other vN are vias at no path point)
1V: C48.1 D12.1 R77.2 R78.1 R80.2 | length 361.1
  Top Layer w15: R77.2@1159.45,2814.96 C48.1@1159.45,2728.35 R80.2@1252.95,2728.35 R78.1@1346.46,2728.35 1433.08,2728.35 D12.1@1433.71,2728.98
4V1: C17.2 C23.2 C53.2 C60.2 D10.1 R72.1 U4.4 U6.4 U11.4 U13.4 | length 3582.4
  Bottom Layer w15: U6.4@2192.91,2964.57 C23.2@2192.91,3043.31 2219.49,3069.88 2588.58,3069.88 2615.16,3043.31 C17.2@3074.8,3043.31 ; U4.4@3074.8,2964.57 C17.2@3074.8,3043.31 ; U13.4@3960.63,2964.57 C60.2@3960.63,3043.31 ; R72.1@4645.67,3043.31 C53.2@4740.16,3043.31 ; U11.4@4740.16,2960.5 C53.2@4740.16,3043.31 ; C17.2@3074.8,3043.31 3226.38,3194.88 3790.35,3194.88 3941.93,3043.31 C60.2@3960.63,3043.31 ; C60.2@3960.63,3043.31 4112.45,3195.13 4463.33,3195.13 4527.06,3258.86 4794.53,3258.86 4869.09,3184.29 4869.09,3120.08 4827.76,3078.74 D10.1@4826.77,3078.74 4791.34,3043.31 C53.2@4740.16,3043.31